# Altium PCB Middle_PCB_PC104_Shield_Positioning.PcbDoc (part 2 of 2)
Units mil, origin at the board's own origin, x right, y up, seen from the top; angles counter-clockwise.
Board outline 3550 x 3775 mil, 2 copper layers (Top Layer, Bottom Layer); 171 components, 88 nets, 645 pads, 67 vias.
Unrouted connection lines stored in the file: 2.
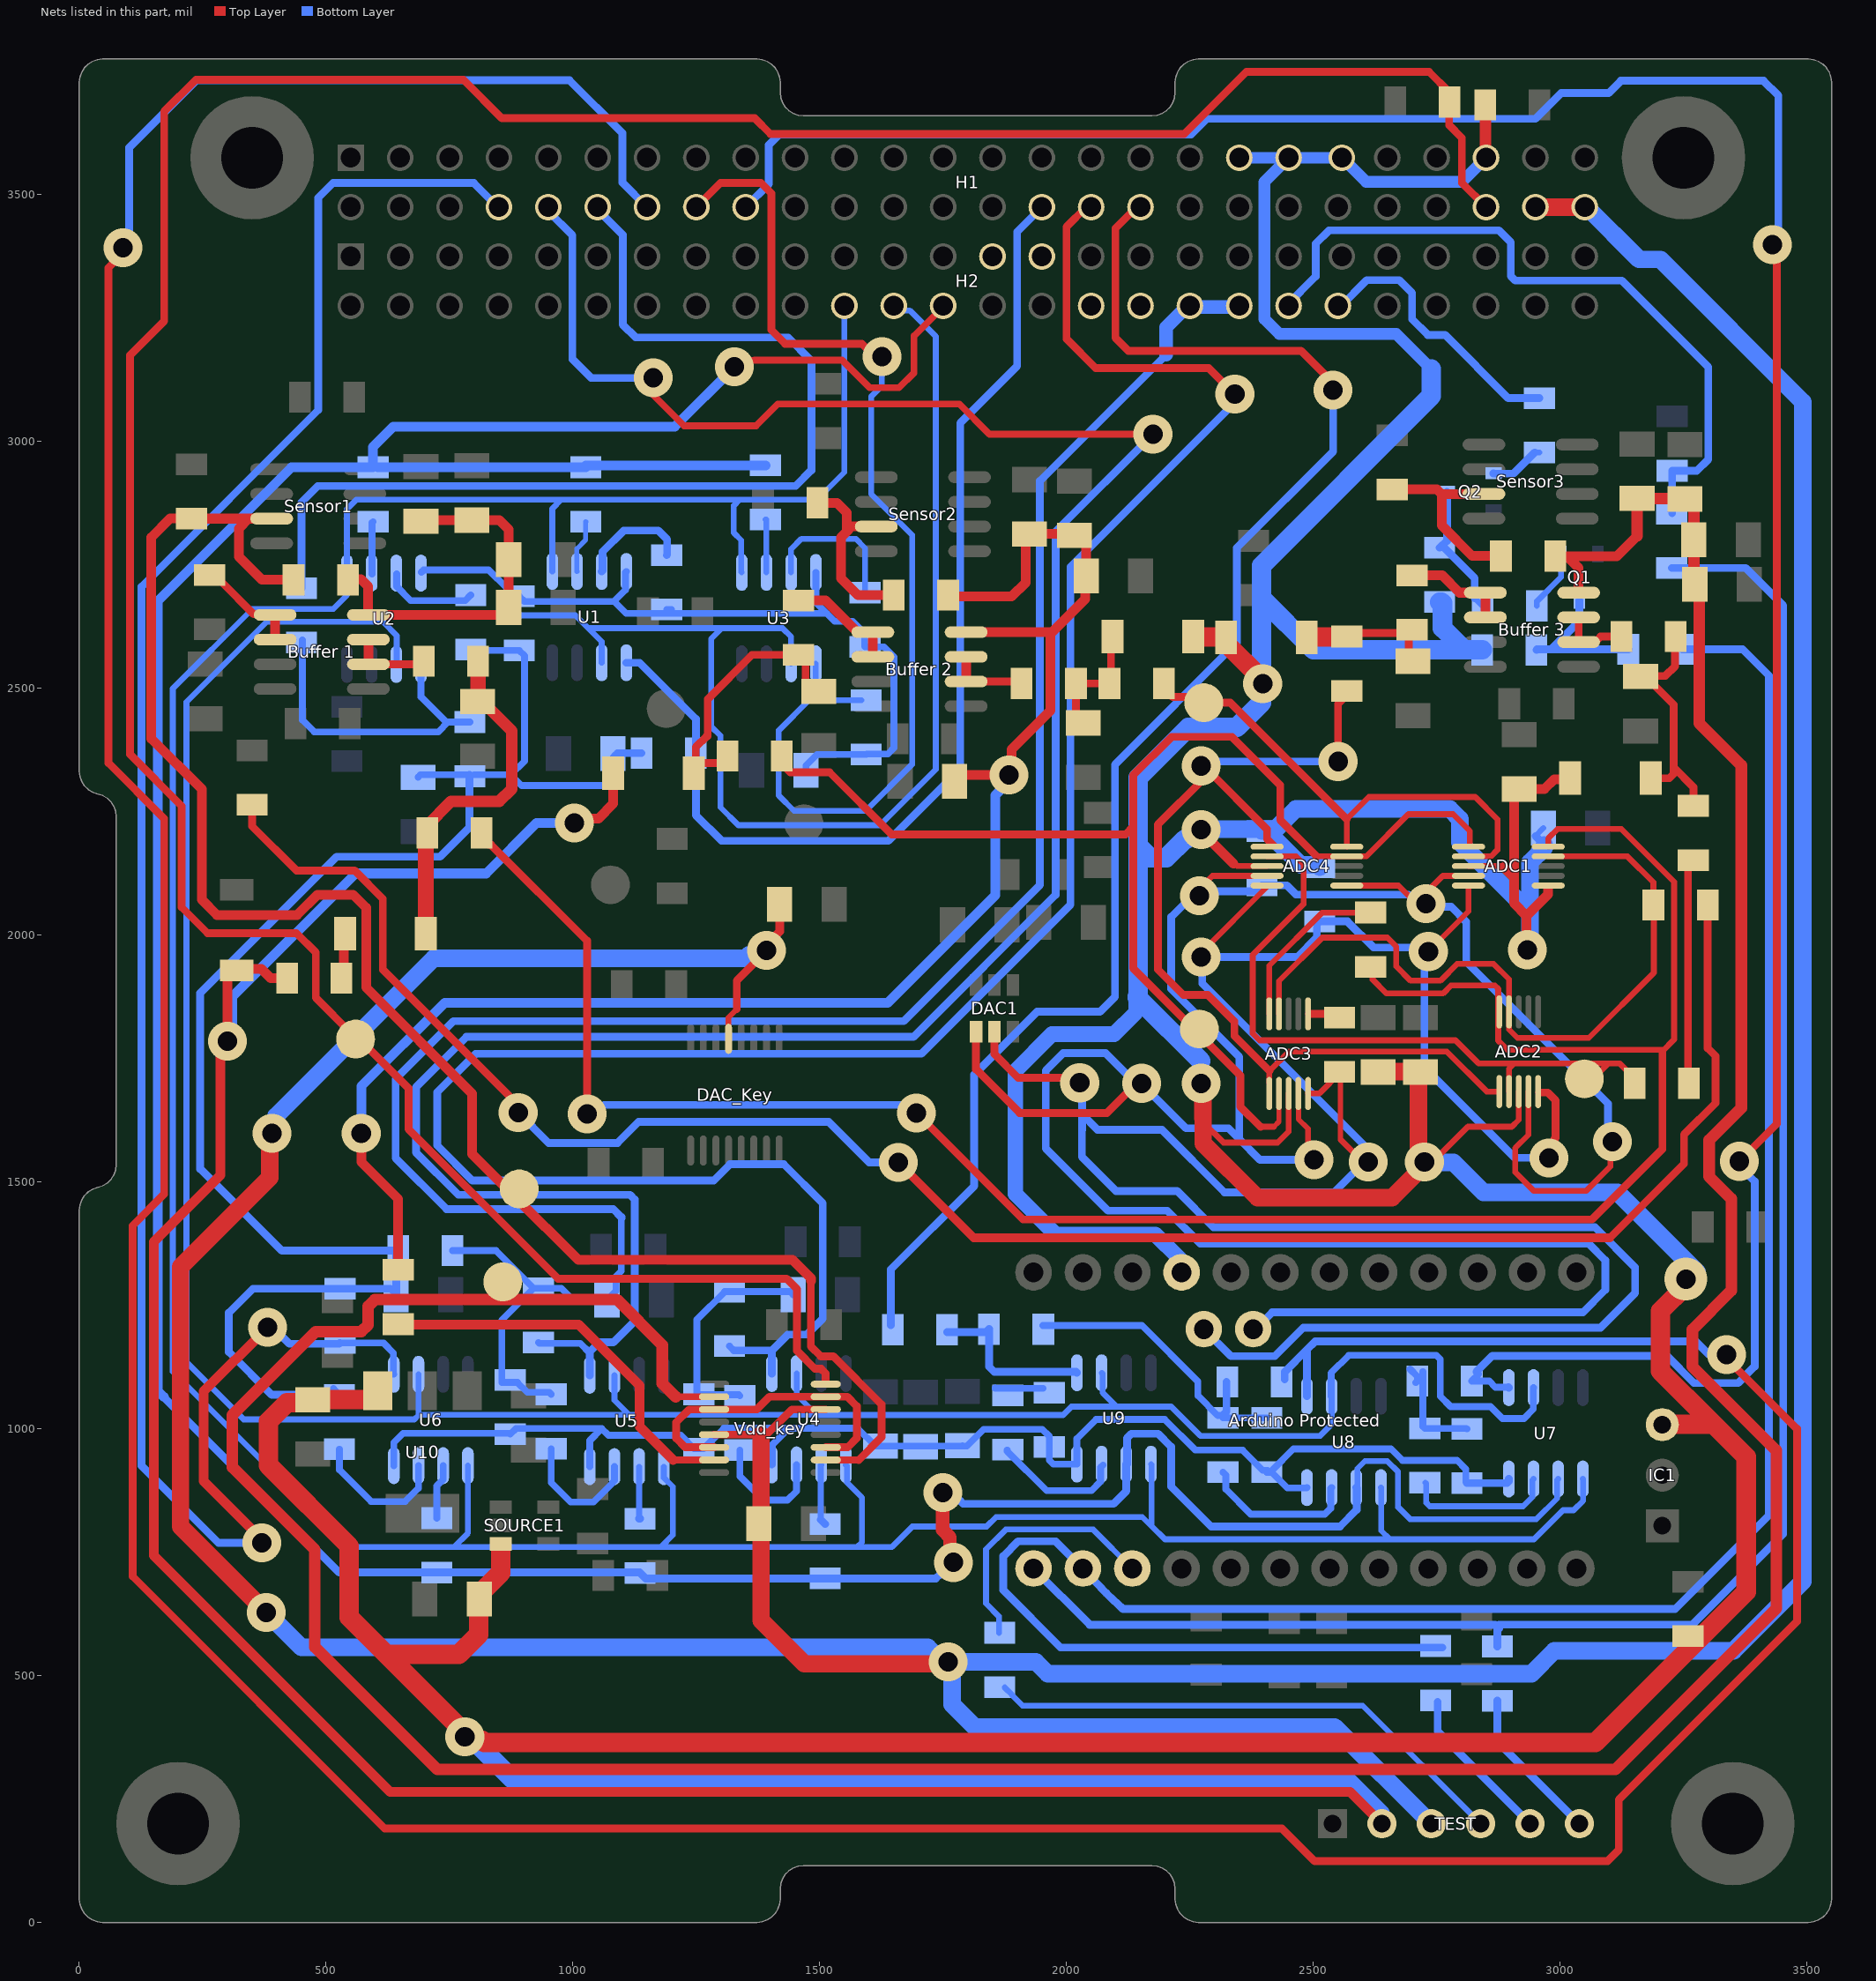
[diagram p2: the nets of this part, all layers, seen from the top]

## Via types
v1: diameter 78.74, hole 39.37, Top Layer to Bottom Layer, 66 vias
v2: diameter 86.61, hole 39.37, Top Layer to Bottom Layer, 1 vias

## Nets (pads, with @x,y where several pads share a name; then routed paths per layer and width w, separated by ;. In a path a pad name is that pad's centre, name@x,y a point inside that pad or via, vN(x,y) a via of type N, cw(c..) or ccw(c..) an arc to the next point about the centre after c; other vN are vias at no path point) (continued)
NetCF2_2: CF2.2 D2.2 RF2.1 RF22.2 | length 715.9
  Top Layer w23.62: RF22.2@702,2219.69 753.31,2271 851,2271 876,2296 876,2413.91 CF2.2@816.94,2472.97
  Top Layer w31.5: D2.2@702,2003 RF22.2@702,2219.69 ; RF2.1@808.1,2554.85 807.6,2554.35 807.6,2473.47 CF2.2@807.1,2472.97 CF2.2@816.94,2472.97
NetCF3_2: CF3.2 D3.2 RF3.1 RF33.2 | length 554.4
  Top Layer w15.75: D3.2@1245,2328 1249,2332 D3.2@1249,2338.7 ; RF33.2@1313,2363 1298.87,2348.87 1259.17,2348.87 D3.2@1249,2338.7 ; CF3.2@1498.1,2493.97 1488.94,2493.97 1471.22,2511.69 1471.22,2553.73 RF3.1@1457.1,2567.85 1362.85,2567.85 1273,2478 1273,2403 1271,2403 1249,2381 D3.2@1249,2338.7
NetCF4_2: CF4.2 D4.2 RF4.1 RF44.2 | length 258.7
  Top Layer w15.75: CF4.2@2034.1,2429.97 2019.1,2444.97 RF4.1@2019.1,2509.85 2086.85,2509.85 RF44.2@2087,2510 2087,2519.5 2090.15,2522.65 2090.15,2608.85 D4.2@2093.31,2612
NetCF5_2: CF5.2 D5.2 RF5.1 RF55.2 | length 270.8
  Top Layer w15.75: RF55.2@2568,2605 2574.93,2611.93 2693.17,2611.93 2693.17,2563.9 CF5.2@2702.1,2554.97
  Top Layer w39.37: D5.2@2486.69,2603 2487.69,2604 2567,2604 RF55.2@2568,2605
NetCF6_2: CF6.2 D6.2 RF6.1 RF66.2 | length 504
  Top Layer w15.75: CF6.2@3163.1,2523.97 CF6.2@3172.94,2523.97 ; D6.2@3183.69,2318 3221.1,2318 3230.33,2327.22 3230.33,2339.67 ; RF6.1@3234.1,2604.85 3232.95,2603.71 3232.95,2544.95 3212.93,2524.93 3173.9,2524.93 CF6.2@3172.94,2523.97 ; RF66.2@3270,2262 3270,2300 3230.33,2339.67 ; CF6.2@3172.94,2523.97 3230.33,2466.58 3230.33,2339.67
NetH2_27: H2.27 H2.29
NetH2_32: H2.32 H2.34
NetKEY_1_3: Vdd_key.3 Vdd_key.7 Vdd_key.11 Vdd_key.14 | length 647.3
  Top Layer w15.75: Vdd_key.14@1285.91,962.47 1227.4,962.47 1209.1,980.77 1209.1,1012.85 1235.48,1039.24 Vdd_key.11@1285.91,1039.24 1372.48,1039.24 1398.08,1064.83 Vdd_key.7@1512.29,1064.83 1556.1,1064.85 1575.1,1045.85 1575.1,980.93 1556.64,962.47 Vdd_key.3@1512.29,962.47
NetQ1_1: Q1.1 Rs8.1 | length 125.4
  Bottom Layer w11.81: Rs8.1@2953.1,2666.85 2953.1,2676.35 3001.7,2724.95 Q1.1@3001.7,2772.1
NetQ2_1: Q2.1 Rs10.2 | length 111.1
  Bottom Layer w11.81: Rs10.2@2948.6,2977.85 Rs10.2@2958.1,2977.85
  Bottom Layer w15.75: Q2.1@2865.1,2935.66 2865.9,2934.85 2905.6,2934.85 Rs10.2@2948.6,2977.85
NetQ2_3: Q2.3 Rs7.1 Rs8.2 | length 270.4
  Bottom Layer w11.81: Rs8.2@2827,2682.95 Rs8.2@2843.1,2666.85
  Bottom Layer w15.75: Rs7.1@2756.1,2784.85 2760.85,2789.6 2761.72,2789.6 2771.1,2798.98 2771.1,2894.32 2770.61,2894.8 Q2.3@2770.61,2898.25 ; Rs7.1@2765.6,2784.85 2827,2723.45 Rs8.2@2827,2682.95
NetR5_1: R5.1 U1.7 | length 229.4
  Bottom Layer w15.75: U1.7@1058.28,2736.85 1059.79,2738.36 1059.79,2776.54 1103.1,2819.85 1173.15,2819.85 1191,2802 1191,2770.75 R5.1@1190.1,2769.85
NetR7_1: R7.1 U2.7 | length 191.6
  Bottom Layer w13.78: U2.7@643.1,2731.72 643.1,2706.13 671.23,2678 782.06,2678 R7.1@792.92,2688.85
NetR9_1: R9.1 U3.7 | length 303.8
  Bottom Layer w11.81: U3.7@1442.1,2734.87 1442.1,2782.1 1463,2803 1573,2803 1591.92,2784.08 R9.1@1591.92,2693.85
NetR11_1: R11.1 U1.6 | length 108.6
  Bottom Layer w10: U1.6@1008.28,2736.85 1008,2737.13 1008,2783 1026,2801 1026,2837.75 R11.1@1026.1,2837.85
NetR12_1: R12.1 U2.6 | length 107
  Bottom Layer w13.78: U2.6@593.1,2731.72 593.1,2835.85 R12.1@595.1,2837.85
NetR13_1: R13.1 U3.6 | length 109
  Bottom Layer w11.81: R13.1@1390.1,2841.85 1392.1,2841.85 U3.6@1392.1,2734.87
NetR14_1: R14.1 U4.7 | length 248.4
  Bottom Layer w13.78: R14.1@1338.1,956.85 1338.1,903.85 1386.39,855.56 1434.56,855.56 1453.1,874.1 U4.7@1453.1,926.85
NetR16_1: R16.1 U5.7 | length 260.2
  Bottom Layer w13.78: R16.1@956.1,959.85 956,959.75 956,890.95 995.39,851.56 1041.56,851.56 1079.18,889.18 1079.18,890.16 1084.1,895.08 U5.7@1084.1,923.33
NetR18_1: R18.1 U6.7 | length 285.4
  Bottom Layer w13.78: R18.1@527.1,958.85 527.1,916.85 591.39,852.56 659.81,852.56 687.1,879.85 U6.7@687.1,925.33
NetR20_1: R20.1 U4.6 | length 124.1
  Bottom Layer w11.81: R20.1@1502.1,815.85 1502.1,925.85 U4.6@1503.1,926.85
  Bottom Layer w15.75: R20.1@1502.1,815.85 R20.1@1511.1,806.85
NetR21_1: R21.1 U5.6 | length 107.5
  Bottom Layer w11.81: R21.1@1134.1,817.85 U5.6@1134.1,923.33
  Bottom Layer w15.75: R21.1@1134.1,817.85 R21.1@1136.1,817.85
NetR22_1: R22.1 U6.6 | length 111.9
  Bottom Layer w13.78: R22.1@724.1,818.85 724.1,884.08 737.1,897.08 U6.6@737.1,925.33
NetR23_1: R23.1 U7.7 | length 304.7
  Bottom Layer w11.81: R23.1@2727.1,890.85 2728.95,889 2728.95,849.92 2735.86,843 2925,843 2943.84,861.84 2943.84,896.07 U7.7@2946.1,898.33
NetR25_1: R25.1 U8.7 | length 318
  Bottom Layer w13.78: R25.1@2317,912 2322.94,906.06 2322.94,877.4 2373.34,827 2523.5,827 2535.24,838.74 2535.24,879 U8.7@2537.1,880.85
NetR27_1: R27.1 U9.7 | length 268.1
  Bottom Layer w13.78: R27.1@1879.71,956.74 1879.71,954.74 1959.82,874.63 2050.63,874.63 2069.21,893.21 2069.21,921.7 U9.7@2074.31,926.8
PWR_CTRL_SS_12V: H1.48 pad.13 R4.2 Vdd_key.8 | length 6583.9
  Top Layer w15.75: Vdd_key.8@1512,1095.08 1512,1112.28 1502.77,1121.5 1490.5,1121.5 1454,1158 1454,1283 1433,1304 969.95,1304 667,1606.95 667,1690 565,1792 pad.13@559.75,1789.5 552,1800 479,1873 479,1965 440,2004 259.94,2004 207.28,2056.66 207.28,2261.67 103,2365.95 103,3175 172.1,3244.1 172.1,3668.85 236.1,3732.85 778.1,3732.85 855.95,3655 1368.38,3655 1400.38,3623 2238.25,3623 2364.25,3749 2734.5,3749 2775,3708.5 2775,3641 2801,3615 2801,3524 H1.48@2850,3475
Ram_SI: H2.22 U1.5 U2.5 U3.5 U4.5 U5.5 U6.5 U7.5 U8.5 U9.5 | length 7577.1
  Bottom Layer w11.81: U2.5@542.14,2733.42 542.14,2863.14 561.55,2882.55 976.66,2882.55 ; U2.5@542.64,2732.92 542.64,2689.13 514.46,2660.95 350.71,2660.95 189.46,2499.71 189.46,1115.95 544.61,760.8 759.56,760.8 ; U6.5@787.1,925.33 787.56,924.87 787.56,788.8 759.56,760.8 ; U1.5@958.28,2736.85 958.28,2863.91 976.66,2882.29 1338,2882.29 ; U5.5@1184.1,923.33 1184.1,900.94 1193.2,891.84 1193.61,891.84 1202.56,882.89 1202.56,784.8 1178.56,760.8 ; U3.5@1342.1,2734.87 1341,2735.97 1341,2800 1326,2815 1326,2870.29 1338,2882.29 ; H2.22@1550,3272.75 1550,2937.75 1494.54,2882.29 1338,2882.29 ; U4.5@1553.1,926.85 1555.36,924.59 1555.36,891.01 1585.56,860.8 1585.56,770.03 1576.34,760.8 ; U9.5@2171.1,928.33 2172.46,926.97 2172.46,804.95 ; U8.5@2637.1,880.85 2637.56,880.39 2637.56,793.44 2655,776 ; U7.5@3046.1,898.33 3046.58,897.85 3046.58,854.06 3027.46,834.95 3005.95,834.95 2947,776 2655,776 ; 759.56,760.8 1178.56,760.8 ; 1178.56,760.8 1576.34,760.8 ; 1576.34,760.8 1646.56,760.8 1687.71,801.95 1838.08,801.95 1857.46,821.33 2153.67,821.33 2170.05,804.95 2172.46,804.95 ; 2172.46,804.95 2172.46,803 2199.46,776 2655,776
Ram_SO: H2.24 U1.2 U2.2 U3.2 U4.2 U5.2 U6.2 U7.2 U8.2 U9.2 | length 8203.1
  Bottom Layer w11.81: U2.2@643.1,2546.68 643.1,2606.85 615.1,2634.85 ; 687.1,1028.46 1113.49,1028.46 ; U6.2@687.1,1110.37 687.1,1027.43 678.67,1019 333,1019 217,1135 217,2472.25 379.6,2634.85 615.1,2634.85 ; U1.2@1058.28,2551.81 1058.28,2594.67 1031,2621.95 ; U5.2@1084.1,1108.37 1084.1,1057.85 1113.49,1028.46 ; U3.2@1442.1,2549.83 1442.1,2604.52 1424.67,2621.95 1301.77,2621.95 ; U4.2@1453.47,1111.89 1453.47,1068.53 1493.54,1028.46 1113.49,1028.46 ; 1493.54,1028 1993.23,1028 2010.09,1044.85 2101.28,1044.85 ; H2.24@1650.1,3272.85 1657.38,3265.57 1682.38,3265.57 1735.1,3212.85 1735.1,2335.85 1622.1,2222.85 1335.1,2222.85 1299,2258.95 1299,2404 1280,2423 1280,2600.18 1301.77,2621.95 ; U9.2@2071.1,1113.37 2073.36,1111.11 2073.36,1072.78 2101.28,1044.85 ; U8.2@2537.1,1065.89 2537.1,1009.08 2513.81,985.8 2271.15,985.8 2212.1,1044.85 2101.28,1044.85 ; 615.1,2634.85 613.1,2636.85 624.1,2647.85 1005.1,2647.85 1031,2621.95 ; 1031,2621.95 1301.77,2621.95
  Bottom Layer w13.78: U8.2@2536.1,1065.89 2536.1,1112.85 2572.1,1148.85 2749.03,1148.85 2757.1,1140.78 2757.1,1065.9 2778.15,1044.85 2859.1,1044.85 2883.1,1020.85 2926.85,1020.85 2945.75,1039.75 2945.75,1083.03 U7.2@2946.1,1083.37
RST: "Arduino Protected.15" PuenteTx2.Puente_RST TEST.4 | length 1605.4
  Bottom Layer w11.81: PuenteTx2.Puente_RST@1863,586 1863,620 1837,646 1837,756 1877,796 2053.95,796 2133.1,716.85 ; PuenteTx2.Puente_RST@1874.74,476 1890.12,460.62 1890.12,459.88 1911,439 2599.95,439 TEST.4@2839.1,199.85
Rx: "Arduino Protected.14" PuenteTx3.1 PuenteTx3.2 PuenteTx.1 PuenteTx.2 Q1.3 Rs6.1 TEST.5 | length 5233.9
  Bottom Layer w15.75: PuenteTx.2@2752,447 2752,386.95 TEST.5@2939.1,199.85 ; PuenteTx.1@2761,557 1988,557 1872,673 1872,742 1902,772 1977.95,772 2033.1,716.85 2080.63,666.91 ccw(c2133.1,716.85) 2083.42,664.14 2114.34,635 3233,635 3423,825 3423,2526 3370,2579 PuenteTx3.2@3248,2579 ; Rs6.1@2952.1,2577.85 2953.25,2579 PuenteTx3.1@3138,2579 ; 2983.42,2580.85 3039.1,2636.53 Q1.3@3039.1,2677.61
SCK: H2.26 R11.2 R12.2 R13.2 R20.2 R21.2 R22.2 U7.6 U8.6 U9.6 | length 8036.4
  Top Layer w13.78: v1(1327.24,3151.8) 1339.67,3164.23 1367.16,3164.23 1367.79,3164.85 1545.15,3164.85 1601.15,3108.85 1660.85,3108.85 1691.1,3139.1 1691.1,3213.85 H2.26@1750.1,3272.85
  Top Layer w19.68: v1@1763.81,736.43 v1(1770.99,729.25)
  Top Layer w27.56: v1(1749.1,870.52) 1749.1,794.85 1763.81,780.14 v1@1763.81,736.43
  Bottom Layer w11.81: R11.2@1026.1,2947.85 R11.2@1026.1,2951.85 ; 1730.21,696.85 1735.1,696.85 ; v1(1749.1,870.52) 1753.01,870.52 1770.43,853.1 1774.47,854.96 v1@1783.59,854.96 ; U8.6@2587.1,880.85 2589.36,883.11 2589.36,919.36 2604.48,934.48 2649.88,934.48 2671.7,912.66 2671.7,841.3 2696,817 2952,817 2993.84,858.84 2993.84,896.07 U7.6@2996.1,898.33
  Bottom Layer w13.78: R12.2@595.1,2947.85 R12.2@604.6,2947.85 ; v1@1327.24,3150.99 v1(1327.24,3151.8)
  Bottom Layer w15.75: 171.1,1064.37 526.61,708.85 R22.2@724.1,708.85 1135.1,708.85 R21.2@1136.1,707.85 1147.1,696.85 R20.2@1511.1,696.85 1730.21,696.85 ; 1735.1,696.85 v1(1770.99,729.25) ; v1@1783.59,854.96 1790.56,848 2095.25,848 2121.1,873.85 U9.6@2121.1,928.33 ; U9.6@2122.1,928.33 2122.6,928.84 2122.6,981.13 2131.32,989.85 2185.52,989.85 2212.03,963.34 2212.03,882.97 2293,802 2554.02,802 2587.88,835.86 2587.88,880.07 U8.6@2587.1,880.85
  Bottom Layer w19.68: 171.1,1064.37 159,1076.47 159,2676.85 430.01,2947.85 R12.2@595.1,2947.85 595.1,2989.1 635.85,3029.85 1206.1,3029.85 v1@1327.24,3150.99 ; R12.2@604.6,2947.85 R11.2@1026.1,2947.85 ; R11.2@1026.1,2951.85 R13.2@1390.1,2951.85
"SCL (AP)": "Arduino Protected.32" ADC1.10 ADC2.10 ADC3.1 ADC3.10 ADC4.10 DAC1.5 Puente_SDA.1 Puente_SDA.2 R29.1 | length 5810.7
  Top Layer w10.63: 2555.1,1585.85 Puente_SDA.1@2555.1,1722.35
  Top Layer w11.81: v1(2273.11,1955.85) 2273.11,1964.87 2406.39,2098.14 ADC4.10@2406.39,2100.48 ; ADC3.10@2489.47,1679.14 2511.89,1679.14 2555.1,1722.35 Puente_SDA.1@2558.6,1725.85 ; 2555.1,1585.85 v1@2605.61,1535.34 ; v1(2733.1,1966.85) 2814.39,2048.14 ADC1.10@2814.39,2100.48
  Top Layer w15.75: DAC1.5@1854.1,1804.61 1854.1,1759.02 1902.27,1710.85 2017.52,1710.85 2017.52,1710.08 v1(2026.75,1700.85) ; ADC3.1@2491.6,1840.56 2545.39,1840.56 Puente_SDA.2@2553.1,1832.85 ; ADC2.10@2957.44,1681.17 2957.61,1681 2975,1681 2991,1665 2991,1589.57 2989.15,1587.72 2989.15,1560.9 v1(2977.1,1548.85)
  Bottom Layer w11.81: v1@2604.08,1540.84 v1(2611.1,1540.84)
  Bottom Layer w15.75: v1(2026.75,1700.85) 2031.8,1695.8 2031.8,1636.85 ; 2278.1,1201.85 2332.97,1146.98 2421.98,1146.98 2479.85,1204.85 3082.1,1204.85 3152.1,1274.85 3152.1,1326.9 3070.71,1408.29 2297.63,1408.29 2224.14,1481.78 2100.17,1481.78 2031.1,1550.85 2031.1,1605.15 2031.8,1605.85 2031.8,1636.85 ; v1@2604.08,1540.84 2542.1,1478.85 2320.1,1478.85 2193.1,1605.85 2062.8,1605.85 2031.8,1636.85 ; v1@2615.1,1561.85 2274.87,1902.08 2274.87,1954.08 v1(2273.11,1955.85) 2467.85,1955.85 2507.26,1995.26 2507.26,2022.01 R29.1@2513.1,2027.85 2569.15,2027.85 2622.15,1974.85 v1@2743.05,1974.85 ; v1(2733.1,1966.85) 2725.1,1958.85 2725.1,1731.85 2908.1,1548.85 v1(2977.1,1548.85)
"SDA (AP)": "Arduino Protected.31" ADC1.9 ADC2.9 ADC3.9 ADC4.1 ADC4.9 DAC1.4 R30.1 | length 6123.1
  Top Layer w7.87: v1@2705.1,2062.85 v1@2706.1,2063.85 ; v1@2706.1,2063.85 v1(2728.1,2063.85) 2726.6,2065.35 2707.6,2065.35 v1@2706.1,2063.85
  Top Layer w10.63: ADC3.9@2469.78,1668.24 2469.78,1627.22 2489.05,1607.96
  Top Layer w11.81: v1@2271.1,2095.85 2295.41,2120.17 ADC4.9@2406.39,2120.17 ; v1@2471.75,1551.2 v1@2480.42,1542.53 ; v1@2489.05,1556.9 2489.05,1607.96 ; ADC4.1@2567.81,2100.48 2672.47,2100.48 2707.6,2065.35 2762.41,2120.17 ADC1.9@2814.39,2120.17 ; ADC2.9@2935.78,1683.14 2935.78,1595.54 2909.1,1568.85 2909.1,1519.85 2947.1,1481.85 3052.49,1481.85 3101.71,1531.08 3101.71,1576.63 v1(3106.32,1581.25)
  Top Layer w15.75: DAC1.4@1816.7,1804.61 1816.7,1728.25 1905.12,1639.83 2082.07,1639.83 2141.1,1698.85 v1@2152.1,1698.85 ; v1@2489.05,1556.9 v1(2501.1,1544.85)
  Bottom Layer w15.75: v1@2261.1,2085.85 2212.07,2036.83 2212.07,1891.18 2350,1753.25 2350,1586.95 ; v1(2269.1,2079.85) 2278.25,2089 2384.25,2089 R30.1@2396.1,2100.85 2446.15,2100.85 2465,2082 2692.9,2082 2705.67,2069.23 2705.67,2057.56 2779.39,2057.56 2810,2026.95 2810,1945.95 3097,1658.95 3097,1590.57 v1(3106.32,1581.25) ; 2378.1,1201.85 2382.45,1201.85 2416.45,1235.85 3046.1,1235.85 3091.75,1281.51 3091.75,1341.15 3057.39,1375.51 2270.44,1375.51 2204.1,1441.85 2084.1,1441.85 1958.1,1567.85 1958.1,1725.85 1993.1,1760.85 2079.1,1760.85 2141.1,1698.85 2152.1,1698.85 2242.1,1608.85 2328.1,1608.85 2350,1586.95 ; v1(2501.1,1544.85) 2392.1,1544.85 2350,1586.95
  other v1: 2152.1,1699.85
SS_EXP1_CS_S/B_0: H1.14 R26.1 U8.1 | length 9768.5
  Top Layer w15.75: v1(88.1,3392.85) 88.1,3381.23 59,3352.13 59,2348.95 172,2235.95 172,1475.43 108,1411.43 108,701 619,190 2436.7,190 2502.7,124 3096,124 3119,147 3119,248.75 3480,609.75 3480,1000 v1@3338,1142
  Top Layer w17.72: v1(3337.01,1150) 3338,1149.01 v1@3338,1142
  Bottom Layer w15.75: v1(88.1,3392.85) 101.1,3405.85 101.1,3595.63 237.32,3731.85 993.09,3731.85 1100,3624.94 1100,3524.94 H1.14@1150.1,3474.84 ; R26.1@2442,1100 2442,1115.25 2487.1,1160.35 ; U8.1@2487.1,1065.89 2487.1,1160.35 ; v1(3337.01,1150) 3301.96,1150 3275.11,1176.85 2503.6,1176.85 2487.1,1160.35
SS_EXP1_CS_S/B_1: "PUENTE CSUO.1" "PUENTE CSUO.2" H1.34 R28.1 U9.1 | length 3470.9
  Top Layer w15.75: H1.34@2150.1,3474.84 2142.09,3474.84 2099.1,3431.85 2099.1,3209.85 2125.1,3183.85 2474.99,3183.85 2540.1,3118.75 v1(2540.1,3104.55)
  Bottom Layer w15.75: 1644.1,1209.85 1644.1,1322.85 1813.1,1491.85 1813.1,1717.85 1940.1,1844.85 2067.82,1844.85 2098.1,1875.13 2098.1,2345.67 2345.12,2592.69 2345.12,2784.87 2540.1,2979.85 v1(2540.1,3104.55) ; 1758.1,1195.85 1837.1,1195.85 R28.1@1843.1,1201.85 1843.1,1126.08 1853.91,1115.26 2019.21,1115.26 U9.1@2021.1,1113.37
SS_EXP1_CS_S/B_2: H1.18 R24.1 U7.1 | length 5608.6
  Top Layer w15.75: v1(3363.26,1541.85) 3439,1617.6 3439,3389.95 v1(3430.1,3398.85) ; v1@3430.1,3412.85 v1@3437.1,3405.85
  Bottom Layer w13.78: R24.1@2835.09,1110.85 R24.1@2821.1,1096.85 2856.15,1096.85 2869,1084 U7.1@2895.47,1084
  Bottom Layer w15.75: H1.18@1350.1,3474.84 1397,3521.75 1397,3601 1418,3622 2252.25,3622 2284.1,3653.85 2950.1,3653.85 3002.1,3705.85 3098.1,3705.85 3123.1,3730.85 3412.1,3730.85 3442.1,3700.85 3442.1,3410.85 v1(3430.1,3398.85) ; R24.1@2830.34,1115.6 2862.6,1147.85 3216.1,1147.85 3271.2,1092.76 3360.72,1092.76 3394.25,1126.29 3394.25,1501.13 3363.26,1532.13 v1(3363.26,1541.85) ; U7.1@2895.47,1084 U7.1@2896.1,1083.37
SS_EXP1_CS_S/S_0: H1.32 R15.1 U4.1 | length 4758.5
  Top Layer w15.75: H1.32@2050.1,3474.84 2039.76,3474.84 2000,3435.08 2000,3207.94 2059.32,3148.62 2288.33,3148.62 v1(2341.1,3095.85)
  Bottom Layer w13.78: R15.1@1317.1,1167.85 R15.1@1326.1,1158.85
  Bottom Layer w15.75: R15.1@1326.1,1158.85 1403.1,1158.85 ; U4.1@1403.1,1111.89 1403.1,1158.85 ; v1(2341.1,3095.85) 2341.1,3079.1 2008.1,2746.1 2008.1,2061.85 1706.1,1759.85 803.1,1759.85 725.1,1681.85 725.1,1573.85 796.1,1502.85 1285.1,1502.85 1318.25,1536 1427,1536 1506,1457 1506,1223 1474,1191 1435.25,1191 1403.1,1158.85
SS_EXP1_CS_S/S_1: H1.08 R19.1 U6.1 | length 4311.6
  Top Layer w19.68: v1@370.1,775.85 252,893.95 252,1076 381.1,1205.1 v1(381.1,1205.85)
  Bottom Layer w13.78: R19.1@528.1,1173.85 616.15,1173.85 636.38,1153.62 636.38,1111.09 U6.1@637.1,1110.37
  Bottom Layer w15.75: v1@365.1,1179.85 381.1,1195.85 v1(381.1,1205.85) 392.15,1205.85 425.88,1172.12 526.37,1172.12 R19.1@528.1,1173.85 ; v1(370.08,768.85) 282.01,768.85 126.1,924.76 126.1,2705.94 484.1,3063.94 484.1,3493.85 514.1,3523.85 799.11,3523.85 848.11,3474.84 H1.08@850.1,3474.84
SS_EXP1_CS_S/S_2: H1.10 R17.1 U5.1 | length 5234.1
  Top Layer w13.78: v1(1163.1,3128.85) 1163.1,3094.05 1225.17,3031.98 1371.22,3031.98 1415.25,3076 1782.95,3076 1844.19,3014.76 v1(2175.05,3014.76)
  Bottom Layer w13.78: R17.1@930.1,1174.85 931.95,1173 1015,1173 1034.1,1153.9
  Bottom Layer w15.75: H1.10@950.1,3474.84 950.1,3466.85 999,3417.95 999,3166.95 1037.1,3128.85 v1(1163.1,3128.85) ; U5.1@1034.1,1108.37 1034.1,1136.09 1034.1,1156.1 1053,1175 1082,1175 1125,1218 1125,1464.63 1115.77,1473.85 768.1,1473.85 682.1,1559.85 682.1,1691.85 784.1,1793.85 1690.1,1793.85 1978.1,2081.85 1978.1,2817.8 v1(2175.05,3014.76)
SS_EXP1_CS_U_0: H1.12 PUENTE_SS_EXP1_CS_S/S_2.1 PUENTE_SS_EXP1_CS_S/S_2.2 R8.1 U2.1 | length 2784.1
  Bottom Layer w13.78: PUENTE_SS_EXP1_CS_S/S_2.1@452.1,2597.85 452.1,2435.9 476.15,2411.85 727.1,2411.85 747.1,2431.85 R8.1@791.1,2431.85 ; U2.1@692.14,2548.38 692.14,2482.81 743.1,2431.85
  Bottom Layer w15.75: PUENTE_SS_EXP1_CS_S/S_2.2@450.1,2702.85 450.1,2876.85 483.25,2910 1451.25,2910 1483.1,2941.85 1483.1,3163.85 1436.1,3210.85 1127.15,3210.85 1101,3237 1101,3418.95 1050.1,3469.85 H1.12@1050.1,3474.84